# KiCad board MCU_Bottom.kicad_pcb (continued)
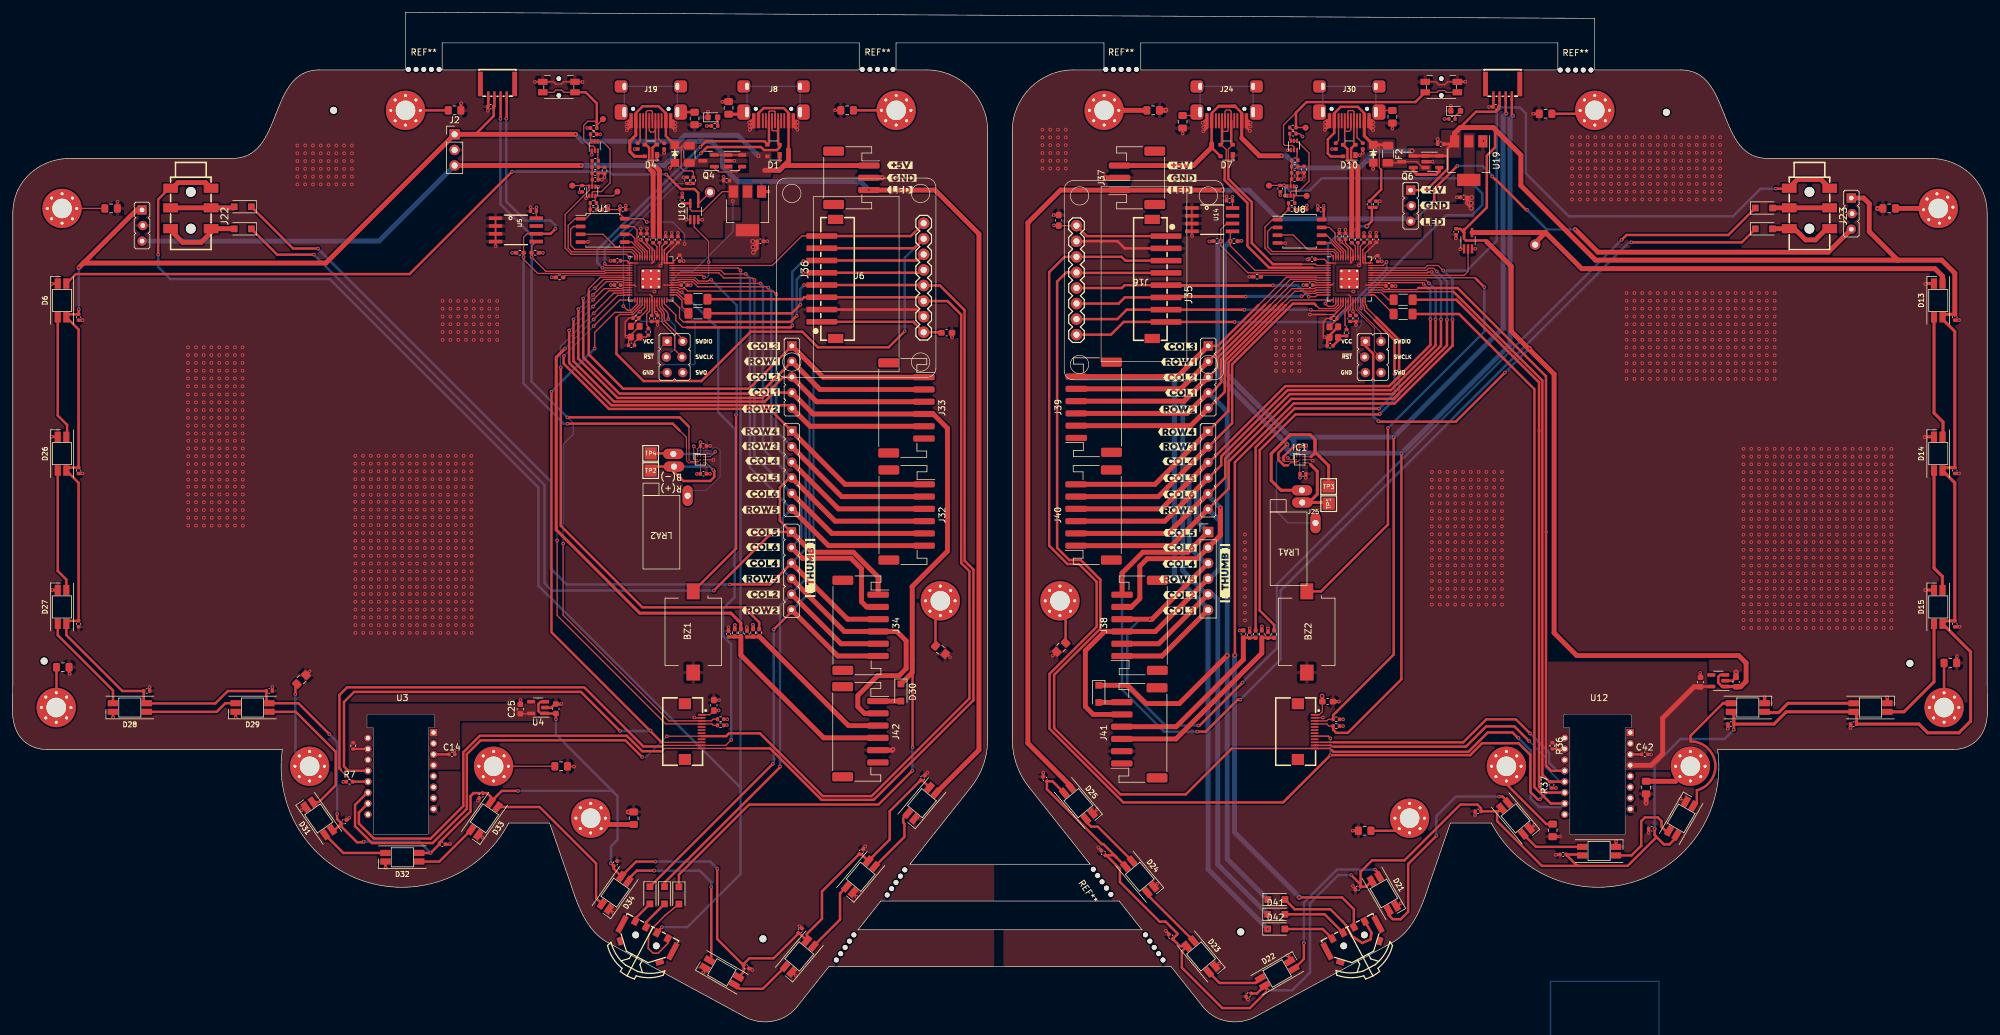
[diagram p0: board, top side]
## Routing (per net, layer and track width the routed paths; a pad name or vN(x,y) marks a point on that pad's centre or on a via; arc(x,y) is an arc through that point) (continued)
  Bottom w0.25: v1(247.46,47.19) 250.16,44.49
  Bottom w0.4: 250.36,44.29 250.56,44.09 250.56,42.39 251.85,41.1 U12.13 ; 250.36,44.29 250.16,44.49 ; 250.36,44.29 v1(247.46,47.19)
OLED_CS: length 51.3
  Top w0.2: 109.89,114.32 109.39,114.32 108.79,114.92 108.79,116.62 107.53,117.88 U2.28 ; v1(128.99,122.32) 131.98,122.32 J36.5
  Top w0.4: v1(127.89,115.32) 126.89,114.32 109.89,114.32 ; J6.5 148.14,122.33 J36.5
  Bottom w0.4: v1(127.89,115.32) 127.89,121.22 v1(128.99,122.32)
OLED_CS_R: length 42.1
  Top w0.2: v1(211.39,118.43) 212.48,118.43 212.76,118.72 U9.14
  Top w0.4: J35.5 188.12,120.31 181.36,120.31 180.89,119.85 173.51,119.85
  Top w0.5: v1(205.53,120.27) 205.52,120.26 188.17,120.26 J35.5
  Bottom w0.5: v1(205.53,120.27) 209.55,120.27 v1(211.39,118.43)
OUT+: length 13
  Top w0.13: v1(114.62,93.15) 113.79,92.32 IC2.A3
  Top w0.4: TP4.1 107.7,92.86 J18.1
  Bottom w0.4: v1(114.62,93.15) 114.25,92.78 J18.1
OUT+_R: length 31.5
  Top w0.13: IC1.A3 211.75,92.32
  Top w0.5: J29.1 206.84,86.85 205.25,88.44 205.25,92.81 208.36,95.92 211.6,95.92 212.41,95.11 212.41,94.77 ; 212.41,94.77 212.41,92.98 211.75,92.32 ; 212.41,94.77 212.41,93.08 214.62,90.87 TP3.1
OUT-: length 22.3
  Top w0.13: IC2.C3 113.13,91.32 v1(114.29,90.16)
  Top w0.4: v1(114.29,90.16) 114.46,89.99 114.46,89.01 113.81,88.36 109.41,88.36 107.89,89.88 J14.1 104.74,90.72 TP2.1
  Bottom w0.4: J14.1 113.73,90.72 v1(114.29,90.16)
OUT-_R: length 14.1
  Top w0.13: IC1.C3 211.4,91.32 211.67,91.05
  Top w0.5: 211.67,91.05 212.77,89.95 212.77,86.21 211.42,84.86 J26.1 214.44,84.86 TP1.1
row1: length 80.6
  Top w0.2: U2.8 99.72,121.12 99.59,121.24 96.42,121.24 v1(94.99,119.82)
  Top w0.4: v1(93.09,118.12) 93.09,108.52 98.99,102.62 121.87,102.62 J4.2
  Top w0.8: J4.2 131.69,103.29 J33.2
  Bottom w0.2: v1(94.99,119.82) 94.79,119.82 v1(93.09,118.12)
row1_R: length 48.6
  Top w0.2: 204.25,117.12 208.4,121.27 212.44,121.27 212.59,121.12 U9.8
  Top w0.4: 204.25,117.12 194.99,107.86 J11.2
  Top w0.8: J11.2 190.52,103.39 J39.5
row2: length 80
  Top w0.2: v1(94.69,116.82) 97.27,119.39 99.57,119.39 99.69,119.52 U2.12
  Top w0.4: v1(90.79,112.92) 90.79,107.62 97.69,100.72 126.64,100.72 J4.5
  Top w0.8: J4.5 130.07,97.29 J33.5
  Bottom w0.2: v1(94.69,116.82) v1(90.79,112.92)
row2_R: length 53.2
  Top w0.2: 207.06,117.26 209.12,119.32 212.37,119.32 212.56,119.52 U9.12
  Top w0.4: J11.5 195.03,100.24 197.69,102.89 197.69,107.89 207.06,117.26
  Top w0.8: J39.2 192.14,97.39 J11.5
row3: length 68.3
  Top w0.2: U2.32 108.59,119.92 108.79,119.72 109.72,119.72 110.09,119.34 124.04,119.34 v1(124.57,118.82)
  Top w0.8: J5.2 135.24,85.82 J32.2
  Bottom w0.4: v1(124.57,118.82) 124.57,113.02 124.54,112.99 124.54,96.51 J5.2
row3_R: length 62.8
  Top w0.2: 212.56,117.01 213.09,116.49 215.59,116.49 216.19,117.09 U9.17
  Top w0.4: 212.56,117.01 212.29,117.29 208.79,117.29 198.89,107.39 198.89,97.79 195.03,93.93 J13.2
  Top w0.8: J13.2 186.84,85.82 J40.5
row4: length 83.6
  Top w0.2: U2.15 99.05,117.88 v1(94.79,113.62)
  Top w0.4: J5.1 123.48,100.12 97.29,100.12 89.89,107.52 89.89,108.72 v1(89.94,108.77)
  Top w0.8: J32.1 135.78,87.82 J5.1
  Bottom w0.2: v1(94.79,113.62) v1(89.94,108.77)
row4_R: length 59
  Top w0.2: U9.15 208.49,117.88 207.64,117.03
  Top w0.4: 207.64,117.03 207.63,117.03 198.29,107.69 198.29,99.8 J13.1
  Top w0.8: J13.1 186.3,87.82 J40.6
row5: length 133.1
  Top w0.2: v1(119.59,122.14) 116.09,122.14 115.51,122.72 U2.39
  Top w0.8: J42.2 138.94,50.46 137.86,51.54 137.86,53.36 141.11,56.61 144.59,56.61 145.74,57.76 145.74,62.29 144.21,63.82 J34.4 135.67,63.82 J1.4 ; J5.6 133.08,77.82 J32.6
  Bottom w0.4: v1(119.59,122.14) 120.27,121.46 120.27,90.57 127.02,83.81 J5.6 125.61,82.33 125.61,73.84 127.01,72.44 J1.4
row5_R: length 154.1
  Top w0.2: v1(232.26,122.54) 231.74,123.06 230.91,123.06 230.56,122.72 U9.39
  Top w0.4: J13.6 194.97,83.77 198.34,87.14 198.34,91.54 208.56,101.76 225.19,101.76 233.91,110.49 v1(233.91,114.66)
  Top w0.8: J41.5 176.23,50.29 174.96,51.56 174.96,60.69 178.08,63.82 J38.3 186.36,63.82 J7.4 ; J40.1 189,77.82 J13.6
  Bottom w0.4: v1(233.91,114.66) 233.91,120.89 v1(232.26,122.54)
  Bottom w0.8: J13.6 196.91,81.81 196.91,74.14 195.19,72.42 J7.4
row6: length 288.1
  Top w0.2: U2.40 118.33,123.12 v1(118.74,122.71)
  Top w0.4: J22.1 25.62,136.12 23.79,134.29 v1(23.79,125.29) ; v1(105.91,15.59) 105.12,14.79 S1.C
  Top w0.8: J22.1 31.5,137.04 27.04,137.04 26.12,136.12 J22.1
  Bottom w0.4: 118.74,38.34 85.79,71.29 85.79,87.29 51.79,121.29 25.79,121.29 23.79,123.29 v1(23.79,125.29) ; 118.74,38.34 118.74,24.26 110.06,15.59 v1(105.91,15.59) ; 118.74,38.34 v1(118.74,122.71)
row6_R: length 259.1
  Top w0.2: v1(233.31,122.69) 232.49,123.51 230.74,123.51 230.34,123.12 U9.40
  Top w0.4: v1(287.54,136.04) 289.64,136.04 J23.1 ; v1(234.81,114.64) 234.84,114.61 234.84,110.46 225.39,101.01 208.94,101.01 199.34,91.41 199.34,59.96 v2(199.31,59.94) ; v2(209.84,20.44) 216.81,20.44 218.73,18.52 S2.C
  Top w0.8: J23.1 289.72,136.22 291.04,137.54 294.89,137.54 J23.1
  Bottom w0.4: v1(234.81,114.64) 234.81,121.21 234.79,121.21 v1(233.31,122.69) 237.19,122.69 242.04,127.54 242.04,148.54 242.79,149.29 245.79,149.29 246.79,148.29 246.79,138.54 253.79,131.54 280.54,131.54 285.04,136.04 v1(287.54,136.04)
  Bottom w0.8: v2(209.84,20.44) 209.84,20.51 199.26,31.09 199.26,59.89 v2(199.31,59.94)
RST: length 99.7
  Top w0.2: U2.18 102.72,117.07 101.17,115.52 99.02,115.52 98.51,115.01
  Top w0.4: J6.7 147.06,126.33 J36.7 ; 98.51,115.01 98.51,109.09 102.94,104.66 112.36,104.66 120.41,112.71 128.81,112.71 131.36,110.16 142.89,110.16 v1(145.51,112.79)
  Bottom w0.4: v1(145.51,112.79) 145.51,124.78 J6.7
RST_R: length 45.1
  Top w0.2: U9.18 216.59,117.02 215.71,116.14 211.86,116.14 v1(211.71,116.29)
  Top w0.4: 200.97,116.31 J35.7 181.7,116.31 180.16,114.77 173.51,114.77
  Bottom w0.4: v1(211.71,116.29) v1(200.89,116.29)
SCK: length 239.9
  Top w0.2: 116.53,44.74 J15.12 106.36,44.74 105.91,44.29
  Top w0.4: U3.10 56.51,34.28 56.51,32.49 58.96,30.04 68.21,30.04 73.54,35.36 73.54,44.11 76.24,46.81 100.19,46.81 102.71,44.29 105.91,44.29 ; R15.2 127.09,115.72 v1(128.49,117.12) ; 116.53,44.74 123.56,44.74 131.94,36.36 140.46,36.36 156.71,52.61 156.71,73.91 155.26,75.36 155.26,116.24 151.25,120.25 J6.4 148.52,120.33 J36.4 131.98,120.32 v1(129.09,120.32)
  Bottom w0.4: v1(129.09,120.32) 128.49,119.72 v1(128.49,117.12)
SCK_PIN: length 4.5
  Top w0.2: U2.29 108.29,118.72 109.19,117.82 109.19,116.77 110.24,115.72
SCK_R: length 296.5
  Top w0.25: 198.81,44.74 J27.12 214.86,44.74 215.21,44.39
  Top w0.4: R42.2 235.89,115.6 248.17,103.32 248.17,38.43 250.84,35.76 U12.10 ; v1(245.56,46.44) 245.51,46.44 244.61,47.34 240.56,47.34 237.41,44.19 215.41,44.19 215.21,44.39 ; J35.4 173.59,122.31 173.51,122.39 171.85,122.39 170.36,120.89 170.36,77.44 172.33,75.46 174.21,75.46 177.4,72.28 177.4,64.28 169.87,56.75 169.87,48.06 180.67,37.25 191.32,37.25 198.81,44.74
  Bottom w0.4: U12.10 252.53,35.19 248.93,35.19 247.59,36.53 247.59,44.41 v1(245.56,46.44)
SCK_R_PIN_R: length 5.1
  Top w0.2: R42.1 222.09,118.72 U9.29
SCL: length 177.8
  Top w0.13: IC2.C1 110.28,91.32 109.91,91.69 109.91,93.84
  Top w0.2: 109.91,93.84 109.91,95.49 108.81,96.59 ; R18.2 114.31,48.52 114.08,48.74 J15.4 106.53,48.74 88.84,66.44 v1(88.84,78.66) ; U5.6 83.93,128.68 83.36,128.11 R13.2 v1(83.36,124.89) 83.36,124.51 85.66,122.22 96.62,122.22 96.72,122.32 U2.5
  Top w0.4: v1(90.54,97.71) 107.69,97.71 108.81,96.59 ; v1(88.56,129.49) 87.76,128.68 U5.6 ; 80.61,151.12 80.61,147.54 v1(80.54,147.46)
  Bottom w0.2: 88.66,98.96 88.84,98.79 v1(88.84,78.66)
  Bottom w0.4: v1(83.36,124.89) 83.36,104.26 89.91,97.71 v1(90.54,97.71) ; v1(88.56,129.49) 88.56,130.06 87.79,130.84 83.66,130.84 80.54,133.96 v1(80.54,147.46)
SCL_R: length 210.2
  Top w0.13: 207.96,90.89 208.39,91.32 IC1.C1
  Top w0.2: U9.5 201.46,122.32 197.03,126.74 v1(197.03,127.49) 197.03,129.41 197.98,130.35 U14.6 ; R45.2 214.66,48.39 214.31,48.74 J27.4
  Top w0.4: U16.1 244.49,148.09 v1(244.67,147.92) ; R45.2 215.35,47.8 215.86,47.29 217.76,47.29 226.49,56.01 v1(226.49,92.89) ; 207.99,90.92 207.33,90.92 206.43,91.82 206.43,92.92 v1(207.85,94.34)
  Bottom w0.8: v1(197.03,127.49) 196.56,127.01 196.56,105.63 v1(207.85,94.34) 207.85,93.52 208.49,92.89 v1(226.49,92.89) 244.19,110.59 244.19,147.44 v1(244.67,147.92)
SDA: length 170.5
  Top w0.13: IC2.B2 112.14,91.82 111.86,91.54 110.59,91.54 110.34,91.79 110.34,93.71
  Top w0.2: 110.34,93.71 110.34,97.21 ; v1(89.81,78.14) 89.81,66.49 107.06,49.24 J15.3 113.99,49.24 114.26,49.52 R20.1 ; U2.4 96.67,122.72 96.52,122.57 87.01,122.57 v1(84.66,124.91) R14.2 84.66,126.64 U5.5
  Top w0.4: v1(90.51,98.74) 108.81,98.74 110.34,97.21 ; v1(79.59,147.44) 79.61,147.46 79.61,151.12
  Bottom w0.2: v1(89.81,78.14) 89.81,94.31 91.46,95.96 91.46,97.79 v1(90.51,98.74)
  Bottom w0.4: v1(90.51,98.74) 84.66,104.58 v1(84.66,124.91) 84.71,124.96 84.71,128.39 79.61,133.49 79.61,136.11 79.59,136.14 v1(79.59,147.44)
SDA_R: length 197.8
  Top w0.13: 207.34,91.7 207.5,91.54 209.63,91.54 IC1.B2
  Top w0.2: U9.4 202.61,122.72 198.59,126.73 v1(198.59,127.49) 198.59,128.72 U14.5 ; J27.3 214.31,49.24 214.56,49.49 R46.1
  Top w0.4: v1(208.94,94.01) 207.26,92.34 207.26,91.78 207.34,91.7 ; v1(243.57,148.32) 243.49,148.39 U16.2 ; R46.1 215.35,50.18 215.86,50.69 215.86,50.69 225.22,60.05 v1(225.22,95.52)
  Bottom w0.8: 208.32,95.52 197.66,106.19 197.66,126.56 v1(198.59,127.49) ; 208.32,95.52 v1(225.22,95.52) 241.56,111.86 241.61,111.86 243.07,113.32 243.07,147.82 v1(243.57,148.32) ; 208.32,95.52 208.99,94.86 208.99,94.11
SPLIT_HAND: length 11
  Top w0.13: U2.6 90.17,121.92 R21.2
SPLIT_HAND_R: length 11.1
  Top w0.13: U9.6 203.79,121.92 R47.2
SWCLK: length 10.8
  Top w0.2: J17.4 107.99,109.78 107.99,111.73 arc(107.91,112.11) 107.7,112.43 106.23,113.9 arc(106.02,114.22) 105.94,114.61 105.94,115.35 arc(105.86,115.74) 105.65,116.06 105.41,116.3 arc(105.19,116.62) 105.12,117.01 U2.24
SWCLK_R: length 11
  Top w0.13: U9.24 218.99,116.36 222.06,113.29 222.06,109.56 J28.4
SWDIO: length 8.2
  Top w0.2: U2.25 105.52,117.11 arc(105.59,116.72) 105.81,116.4 106,116.21 arc(106.21,115.89) 106.29,115.5 106.29,114.93 arc(106.37,114.55) 106.58,114.22 109.31,111.49 J17.2
SWDIO_R: length 8.3
  Top w0.13: U9.25 219.39,116.36 223.16,112.59 J28.2
Net-(C4-Pad2): length 3.3
  Top w0.2: C4.2 101.45,111.02 Y1.1 103.38,111.84 R5.1
Net-(C15-Pad2): length 3.2
  Top w0.4: R35.1 216.43,112.03 Y2.1 216.17,111.24 215.35,110.42 C15.2
Net-(D2-A): length 1.4
  Top w0.4: R17.2 115.01,146.3 D2.2
Net-(D5-A): length 14.3
  Top w0.25: S1.1 106.88,12.93 105.31,11.36 104.46,11.36 103.69,12.14 103.76,14.29 104.36,15.41 106.46,17.54 D5.2
Net-(D8-A): length 1.7
  Top w0.2: R44.2 235.25,147.86 D8.2
Net-(D11-A): length 20.5
  Top w0.4: S2.1 221.61,14.66 221.44,13.59 220.11,13.01 218.41,14.14 217.44,15.91 216.89,16.54 214.91,18.51 209.09,18.51 207.51,20.09
Net-(D12-A): length 3.8
  Top w0.8: D12.2 180.85,52.24 J41.6
Net-(D13-DOUT): length 20.1
  Top w0.5: D13.4 313.32,99.46 314.79,97.99 314.79,95.64 D14.2
Net-(D14-DOUT): length 20.1
  Top w0.5: D15.2 314.69,70.6 314.69,72.79 313.32,74.16 D14.4
Net-(D15-DOUT): length 19.1
  Top w0.5: D16.2 308.41,50.71 313.32,55.62 D15.4
Net-(D16-DOUT): length 15.2
  Top w0.5: D17.2 285.84,50.59 287.99,50.59 289.51,52.11 D16.4
Net-(D17-DOUT): length 24.2
  Top w0.4: 278.91,52.11 273.63,46.83 273.63,45.89 arc(277.65,42.35) 274.65,37.91 274.65,35.93 D18.2
  Top w0.5: D17.4 278.91,52.11
Net-(D18-DOUT): length 15
  Top w0.4: 261.47,27.29 263.99,27.29 265.59,28.89 265.59,32.89 266.19,33.49 268.29,33.49 268.89,32.89 268.89,31.99 269.57,31.3 D18.4
Net-(D19-DOUT): length 10.5
  Top w0.4: D20.2 248.41,28.69 D19.4
Net-(D20-DOUT): length 35.7
  Top w0.4: D20.4 243.87,36 242.99,36.89 v1(242.39,36.89) ; v1(232.19,30.49) 227.59,25.89 227.59,18.09 226.39,16.89 225.09,16.89 224.4,17.57 D21.2
  Bottom w0.4: v1(232.19,30.49) 232.19,33.69 235.39,36.89 v1(242.39,36.89)
Net-(D21-DOUT): length 26.8
  Top w0.4: v1(222.19,24.99) 222.87,24.31 D21.4 ; D22.2 209,8.81 210.59,10.39 v1(210.59,12.99)
  Bottom w0.4: v1(210.59,12.99) 210.59,19.59 215.99,24.99 v1(222.19,24.99)
Net-(D22-DOUT): length 9.5
  Top w0.4: D23.2 196.82,6.49 202.72,6.49 D22.4
Net-(D23-DOUT): length 11
  Top w0.4: D24.2 185.05,20.91 D23.4
Net-(D24-DOUT): length 10.7
  Top w0.4: D25.2 175.05,32.83 175.89,31.99 176.99,31.99 182.58,26.39 D24.4
Net-(D26-DIN): length 20.2
  Top w0.4: D26.2 8.94,95.69 8.94,97.51 7.42,99.03 D6.4
Net-(D26-DOUT): length 20.1
  Top w0.4: D26.4 7.42,73.68 8.82,72.28 D27.2
Net-(D27-DOUT): length 16.7
  Top w0.4: D28.2 16.42,54.2 7.42,63.21 D27.4
Net-(D28-DOUT): length 15.1
  Top w0.4: D29.2 34.74,52.11 33.34,50.71 D28.4
Net-(D29-DOUT): length 23.9
  Top w0.4: D31.2 49.98,35.98 52.74,38.74 52.74,44.19 46.21,50.71 D29.4
Net-(D30-A): length 3.8
  Top w0.8: J42.1 144.89,52.46
Net-(D31-DOUT): length 11.1
  Top w0.4: D32.2 53.97,27.69 D31.4
Net-(D32-DOUT): length 10.6
  Top w0.4: D32.4 69.64,26.29 D33.2
Net-(D33-DOUT): length 26.9
  Top w0.4: D34.2 95.19,20.32 95.19,25.99 85.99,35.18 D33.4
Net-(D34-DOUT): length 28.1
  Top w0.4: v1(113.96,22.14) 113.96,10.5 D35.2 ; v1(104.66,24.81) 101.84,24.81 100.44,23.42 D34.4
  Bottom w0.4: v1(113.96,22.14) 113.96,22.94 112.09,24.81 v1(104.66,24.81)
Net-(D35-DOUT): length 10.1
  Top w0.4: D35.4 117.89,6.23 118.59,5.54 122.39,5.54 D36.2
Net-(D36-DOUT): length 11.9
  Top w0.4: D37.2 134.96,21.11 134.96,16.81 D36.4
Net-(D37-DOUT): length 11.1
  Top w0.4: D38.2 145.26,33.41 145.26,32.64 145.46,32.44 145.46,30.31 D37.4
Net-(D39-A): length 5
  Top w0.4: S1.T 103.35,16.4 D39.2
Net-(D40-A): length 3.8
  Top w0.4: D40.2 101.58,17.01 S1.2
Net-(D41-A): length 10.7
  Top w0.4: S2.T 213.96,17.69 D41.2
Net-(D42-A): length 8.4
  Top w0.4: D42.2 213.65,15.29 S2.2
Net-(D43-A): length 10.4
  Top w0.8: J22.3 J22.3 36.02,132.92 D43.2
Net-(D44-A): length 12.7
  Top w0.8: D44.2 36.16,129.52 J22.2 32.42,128.92 30.79,127.29 27.79,127.29 25.82,129.26 J22.2
Net-(D45-A): length 9.3
  Top w0.8: J23.3 J23.3 287.02,132.92 D45.2
Net-(D46-A): length 10.9
  Top w0.8: D46.2 287.02,129.52 J23.2 290.56,129.52 292.39,127.69 293.99,127.69 295.81,129.52 J23.2
Net-(IC1-IN/TRIG): length 18.9
  Top w0.13: v1(207.96,92.14) 208.28,91.82 IC1.B1
  Bottom w0.2: J25.1 208.04,81.52 206.12,83.44 ; 206.12,91.45 206.81,92.14 v1(207.96,92.14)
  Bottom w0.25: 206.12,83.44 206.12,91.45
Net-(IC2-IN/TRIG): length 17.9
  Top w0.13: v1(111.11,94.04) 111.11,91.91 111.2,91.82 IC2.B1
  Bottom w0.13: 110.36,86.81 113.16,86.81 115.41,89.06 115.41,93.31 114.96,93.76 114.34,93.76 113.91,93.34 111.81,93.34 v1(111.11,94.04)
Net-(J8-SHIELD): length 19.6
  Top w0.5: J8.S1 118.92,148.19 FB1.1
  Bottom w0.2: J8.S1 J8.S1 J8.S1 J8.S1
Net-(J19-CC1): length 4.2
  Top w0.25: R24.1 106.08,143.47 105.37,144.18 J19.A5
Net-(J19-CC2): length 3.8
  Top w0.25: J19.B5 102.37,143.87 R25.2
Net-(J19-SHIELD): length 19.3
  Top w0.4: J19.S1 111.22,148.54 FB2.1
  Bottom w0.2: J19.S1 J19.S1 J19.S1 J19.S1
Net-(J24-SHIELD): length 19.6
  Top w0.2: FB3.1 192.58,147.97 J24.S1
  Bottom w0.2: J24.S1 J24.S1 193.67,152.72 193.67,148.54
Net-(J30-CC1): length 4
  Top w0.2: J30.A5 219.24,144.42 R50.1
Net-(J30-CC2): length 3.8
  Top w0.2: J30.B5 216.24,143.93 R51.2
Net-(J30-SHIELD): length 19.8
  Top w0.2: FB4.1 222.57,148.79 J30.S1
  Bottom w0.2: J30.S1 J30.S1 J30.S1 J30.S1
Net-(Q1A-D): length 14
  Top w0.2: Q5.2 208.42,135.47 208.59,135.64 209.79,135.64 211.42,137.27 211.42,141.89 Q1.4 Q1.6 208.28,144.03 R49.2
Net-(Q1B-D): length 1.7
  Top w0.2: R53.1 209.47,140.8 Q1.3
Net-(Q2A-D): length 15.4
  Top w0.2: Q2.6 96.24,143.74 97.47,142.52 97.47,136.97 96.07,135.57 94.72,135.57 94.57,135.42 Q3.2 ; Q2.6 94.28,143.93 R23.2 ; Q2.6 Q2.4
Net-(Q2B-D): length 1.7
  Top w0.2: R27.1 95.47,140.69 Q2.3
Net-(Q3B-G): length 4.2
  Top w0.2: R27.2 94.54,136.39 Q3.5
Net-(Q4-G): length 5.4
  Top w0.2: Q4.1 114.47,139.38 115.09,138.77 118.13,138.77 U11.4
Net-(Q5B-G): length 4.3
  Top w0.2: R53.2 208.58,137.6 C61.1 208.42,137.42 208.42,136.39
Net-(Q6-G): length 5.9
  Top w0.5: Q6.1 228.41,138.95 229.01,138.36 232.14,138.36 232.67,138.89 U18.4
Net-(R1-Pad2): length 0.9
  Top w0.2: R2.1 R1.2
Net-(R8-Pad2): length 0.9
  Top w0.4: R9.1 R8.2
Net-(R28-Pad2): length 1
  Top w0.2: R28.2 96.55,139.54 R29.1
Net-(R54-Pad2): length 1
  Top w0.2: R54.2 210.56,139.64 R55.1
Net-(U2-D+): length 2.7
  Top w0.2: U2.47 105.12,126.6 R3.2
Net-(U2-D-): length 2.5
  Top w0.2: U2.46 R4.2
Net-(U2-XTAL_IN): length 5.4
  Top w0.2: Y1.3 102.17,114.9 C3.2 103.52,116.29 U2.20
Net-(U2-XTAL_OUT): length 5
  Top w0.2: R5.2 103.71,113.5 103.44,113.77 103.44,115.62 103.92,116.09 U2.21
Net-(U3-LED_P): length 2.5
  Top w0.4: U3.15 55.49,44.66
Net-(U3-VDDPIX): length 2.5
  Top w0.4: C14.1 U3.3
Net-(U9-D+): length 2.7
  Top w0.2: U9.47 218.99,126.62 R10.2
Net-(U9-D-): length 2.5
  Top w0.2: U9.46 R19.2
Net-(U9-XTAL_IN): length 5.4
  Top w0.2: Y2.3 215.97,114.72 C9.2 215.97,115.17 217.39,116.59 U9.20
Net-(U9-XTAL_OUT): length 5.1
  Top w0.2: U9.21 217.79,116.44 217.29,115.94 217.29,113.79 217.54,113.54 R35.2
Net-(U12-LED_P): length 2
  Top w0.4: U12.15 R36.2
Net-(U12-VDDPIX): length 1.9
  Top w0.4: U12.3 C42.1

## Copper pours and planes (outline as drawn; the poured copper is in the pictures)
+1V1 on Top: 106.11,123.12 102.51,123.12 102.51,119.72 105.11,119.72 105.11,118.92 104.31,118.92 104.31,119.12 101.91,119.12 101.91,123.52 104.71,123.52 104.71,123.72 105.11,123.72 105.11,124.12 106.11,124.12
+1V1 on In2.Cu: 106.11,123.11 102.64,123.11 102.64,119.76 105.41,119.76 105.41,115.46 104.31,115.46 104.31,118.91 101.31,118.91 101.31,128.16 106.21,128.16
+1V1_R on Top: 220.04,123.14 216.44,123.14 216.44,119.74 219.04,119.74 219.04,118.94 218.24,118.94 218.24,119.14 215.84,119.14 215.84,123.54 218.64,123.54 218.64,123.74 219.04,123.74 219.04,124.14 220.04,124.14
+1V1_R on In2.Cu: 219.89,123.19 216.09,123.19 216.09,119.59 219.19,119.59 219.19,115.09 218.09,115.09 218.09,118.59 215.09,118.59 215.09,127.79 219.99,127.79
+1V8 on Top: 54.84,41.29 73.01,41.29 73.01,49.21 85.46,49.21 85.46,52.06 54.84,52.06
+1V8_R on Top: 276.35,41.19 250.2,41.19 250.2,58.9 276.35,58.9
+3V3 on Top: 106.92,118.51 101.32,118.51 101.32,124.11 106.92,124.11
+3V3 on Top: 120.77,134.34 121.82,134.34 121.82,124.84 107.22,124.84 107.22,127.74 116.17,127.74 116.17,130.54 119.02,130.54 119.02,136.89 120.77,136.89
+3V3 on In2.Cu: 159.57,-1.88 0.27,-1.88 0.27,155.52 159.57,155.52
+3V3_R on Top: 238.44,131.34 231.49,131.34 231.49,124.64 220.99,124.64 220.99,127.79 230.06,127.79 230.09,133.54 236.64,133.54 236.64,145.14 238.44,145.14
+3V3_R on Top: 220.84,118.54 215.24,118.54 215.24,124.14 220.84,124.14
+3V3_R on In2.Cu: 322.37,-1.88 161.87,-1.88 161.87,155.77 322.37,155.77
+5V on Top: 123.77,137.89 118.54,137.89 118.54,133.32 116.62,133.32 116.62,138.57 120.12,138.57 120.12,141.24 113.59,141.24 113.59,142.12 123.77,142.12
+5V_R on Top: 236.21,141.09 227.52,141.09 227.52,142.7 232.97,142.7 232.97,145.62 236.24,145.62
/Left/VBUS on Top: 111.66,142.24 107.11,142.24 107.11,144.04 111.66,144.04
/Right/VBUS_R on Top: 225.41,142.3 220.92,142.3 220.92,144.08 225.41,144.08
GND on Top, Bottom: 160.09,-4.51 -4.71,-4.51 -4.71,162.44 160.09,162.44
GND on In1.Cu: 103.17,113.49 104.19,113.49 104.19,109.89 99.07,109.89 99.07,115.27 103.17,115.27
GND on In1.Cu: 158.44,-1.13 0.27,-1.13 0.27,155.52 158.44,155.52
GND2 on Top, Bottom: 326.39,-4.51 161.59,-4.51 161.59,162.44 326.39,162.44
GND2 on In1.Cu: 322.39,-0.83 162.69,-0.83 162.69,155.77 322.39,155.77
GND2 on In1.Cu: 217.02,113.49 218.04,113.49 218.04,109.89 212.92,109.89 212.92,115.27 217.02,115.27
VBUS_FUSED on Top: 115.81,140.06 117.47,140.06 117.47,139.07 115.47,139.07 115.47,140.21 113.52,140.21 113.52,139.51 109.35,139.51 109.35,141.02 115.82,141.03
VBUS_FUSED_R on Top: 229.53,139.95 231.37,139.95 231.37,138.96 229.37,138.96 229.37,140.1 227.42,140.1 227.42,139.4 223.25,139.4 223.25,140.91 229.54,140.92

## Text on the board
User.Comments: -1.5, 8.,5 | 13, 4 | 5.5, -14 | 45, -.8 | 26 | RIGHT | 12
F.Fab: 12MHz
